# Allegro board reServer industrial J401 Carrier Board v11.brd (continued)
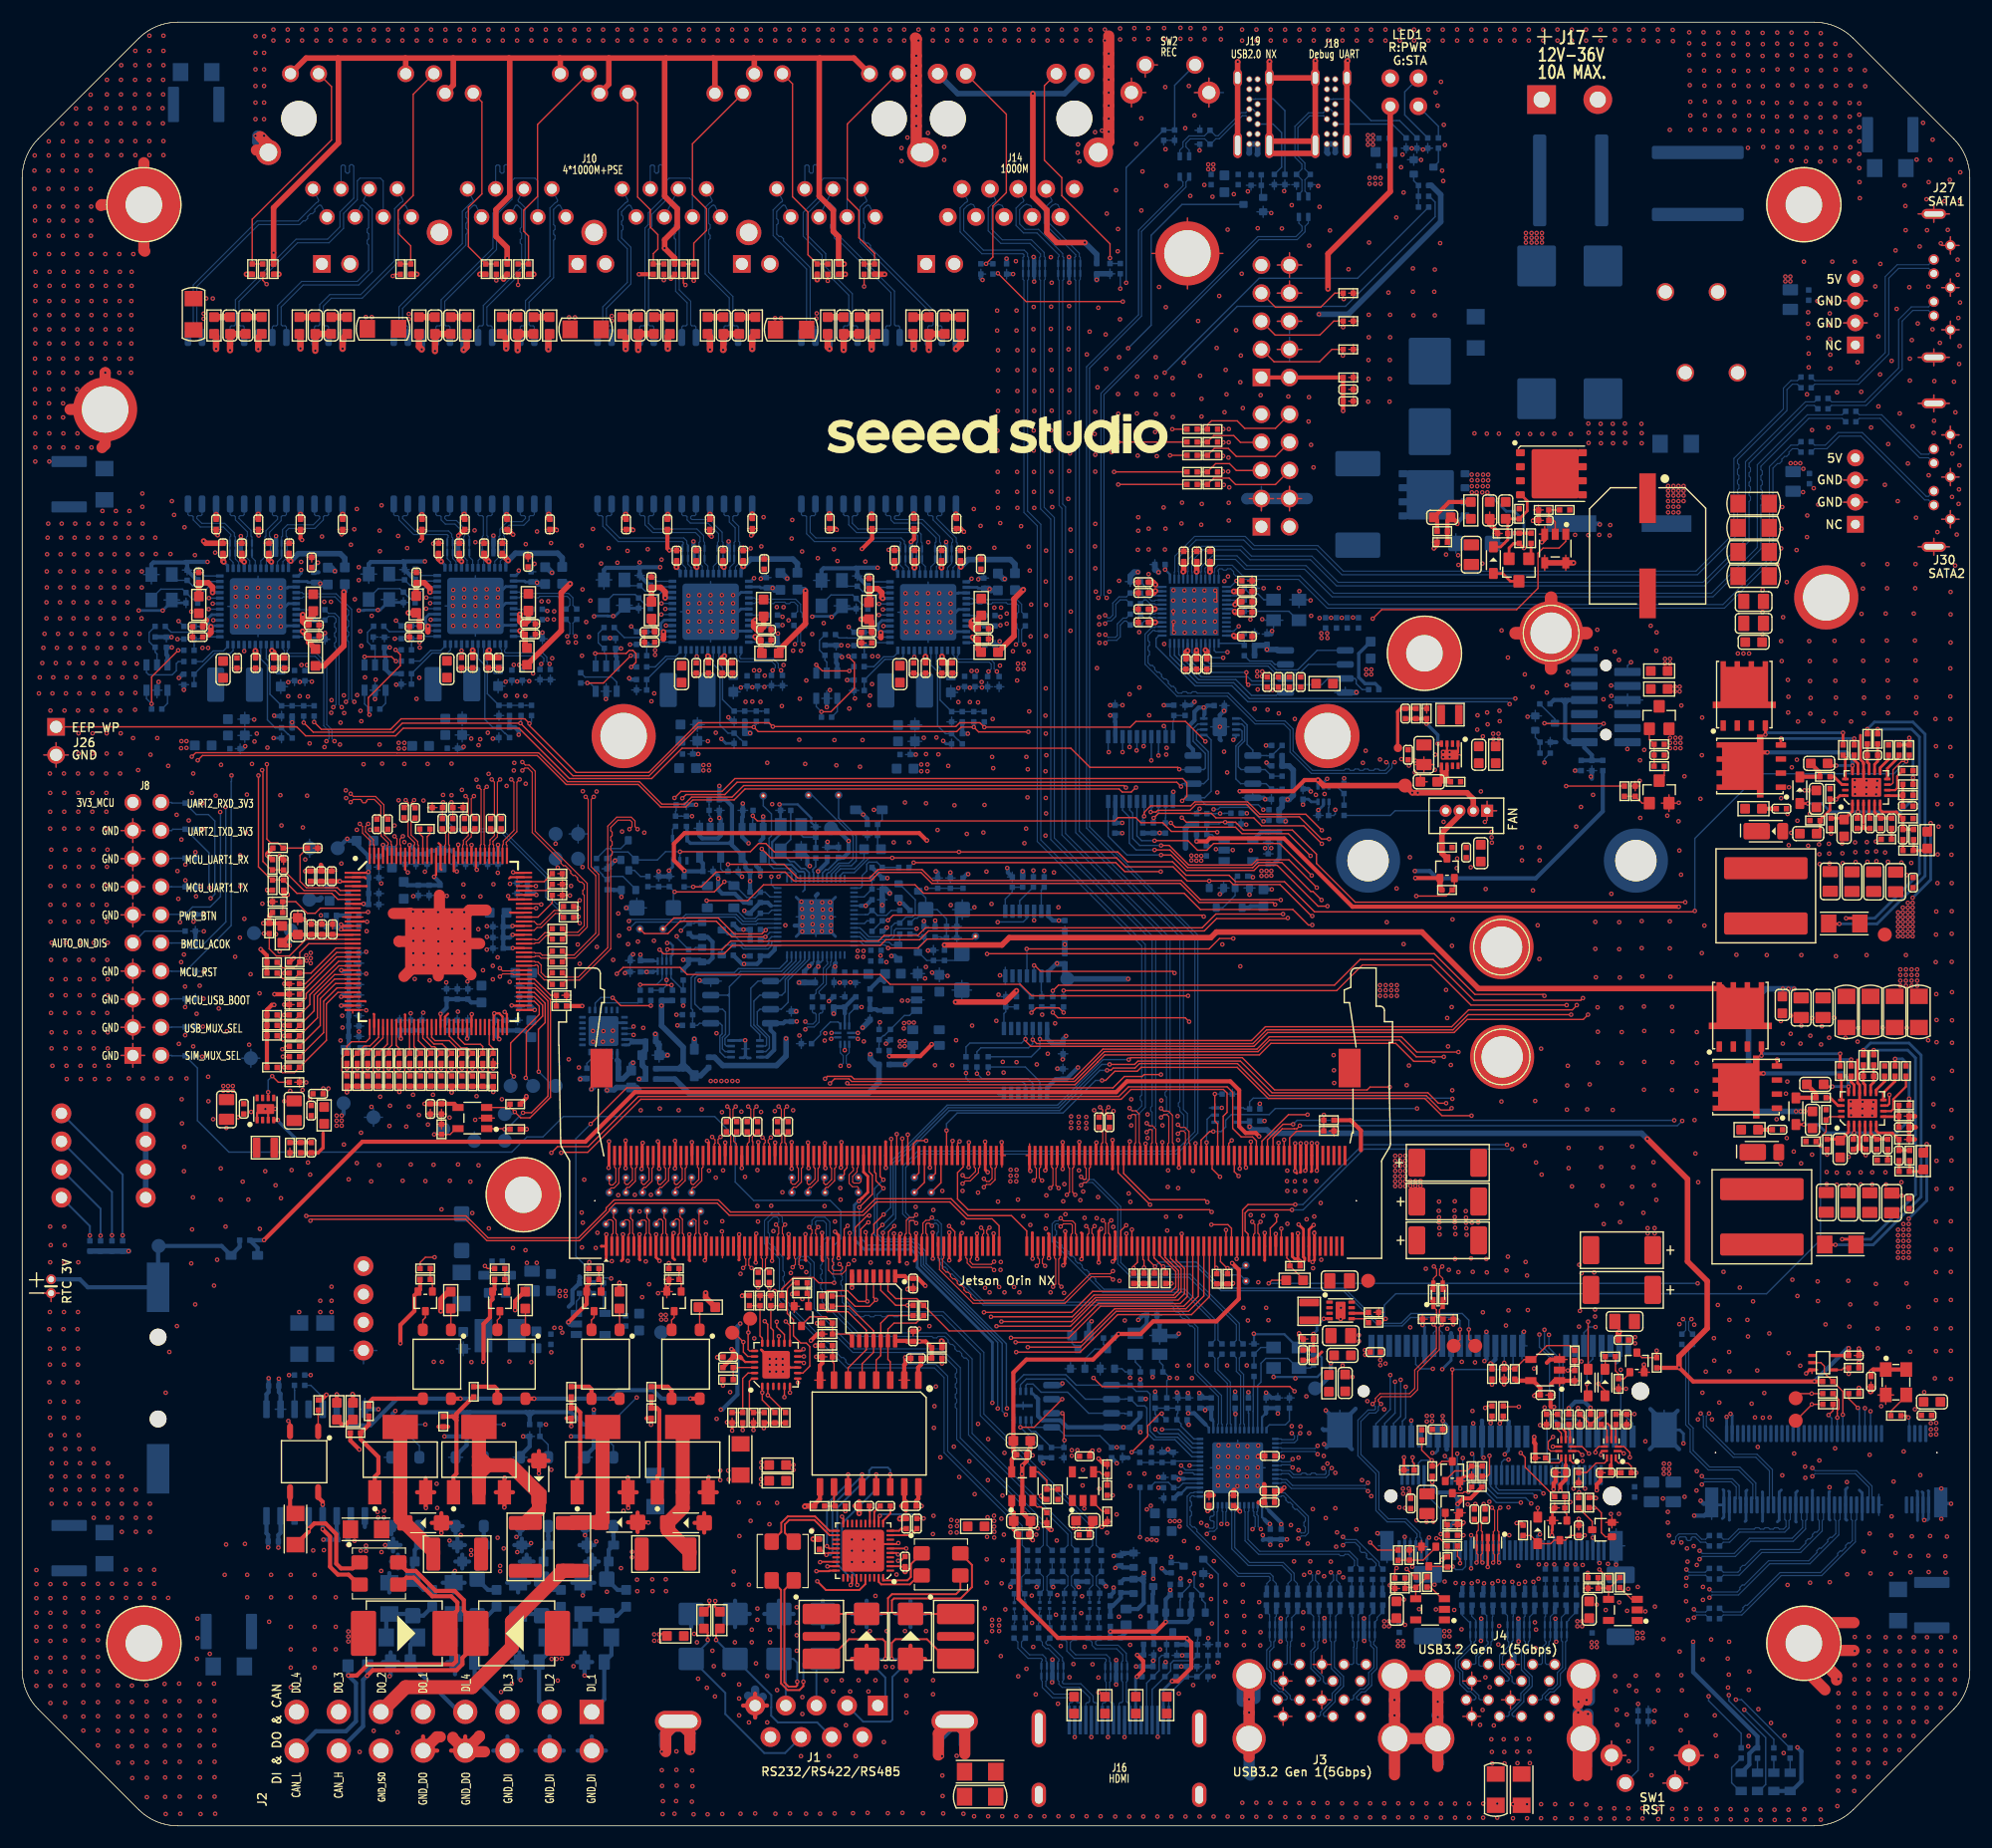
[diagram p0: board, top side]
## Placement (name value [footprint] x y rotation side) (continued)
C179  100nF  [C0402]  167.07 40.15 270 top
C180  100nF  [C0402]  26.35 112.83 90 bottom
C181  18pF  [C0402]  14.91 113.02 90 bottom
C182  100nF  [C0402]  104.21 21.82 0 bottom
C183  100nF  [C0402]  97.1 140.72 270 bottom
C184  10nF  [C0402]  88.96 140.7 270 bottom
C185  0.7pF  [C0402]  96.9 21.02 0 bottom
C186  0.7pF  [C0402]  92.43 21.01 0 bottom
C187  0.7pF  [C0402]  94.65 21 0 bottom
C188  0.7pF  [C0402]  90.13 20.98 0 bottom
C189  0.7pF  [C0402]  92.37 18.84 0 bottom
C190  0.7pF  [C0402]  94.58 18.84 0 bottom
C191  0.7pF  [C0402]  96.83 18.83 0 bottom
C192  0.7pF  [C0402]  90.16 18.82 0 bottom
C193  10pF  [C0402]  101.8 15.45 0 bottom
C194  4.7pF  [C0402]  105.74 15.41 180 bottom
C195  4.7pF  [C0402]  103.88 15.41 0 bottom
C196  100pF  [C0402]  106.16 13.94 90 bottom
C197  10pF  [C0402]  105.21 13.94 90 bottom
C198  100nF  [C0402]  123.06 150.01 0 bottom
C199  100nF  [C0402]  109.89 148.77 270 bottom
C200  10nF  [C0402]  103.15 152.78 270 bottom
C201  10uF  [C0603]  123.06 151.27 0 bottom
C202  4.7uF  [C0603]  108.64 148.39 270 bottom
C203  330uF  [AVX_C]  127.03 19.94 90 bottom
C204  100nF  [C0402]  120.05 22.73 270 bottom
C205  1uF  [C0402]  79.78 23.88 270 top
C206  100nF  [C0402]  122.28 42.82 0 top
C207  100nF  [C0402]  121.01 22.73 270 bottom
C208  100nF  [C0402]  125.47 29.14 270 top
C209  100nF  [C0402]  80.85 27.32 90 top
C210  100nF  [C0402]  79.89 27.32 270 top
C211  22uF  [C0805]  126.95 29.11 270 top
C212  100nF  [C0402]  77.99 28.9 180 top
C213  100nF  [C0402]  76.1 28.91 0 top
C214  100nF  [C0402]  127.89 35.83 0 top
C215  100nF  [C0402]  80.32 28.9 180 top
C216  100nF  [C0402]  66.51 49.56 90 top
C217  100nF  [C0402]  67.52 49.56 90 top
C218  10nF  [C0402]  133.91 40.84 270 top
C219  33pF  [C0402]  137.75 36.73 270 top
C220  100nF  [C0402]  109.46 29.4 90 top
C221  100nF  [C0402]  139.02 31.94 180 top
C222  10nF  [C0402]  140.66 26.7 90 top
C223  33pF  [C0402]  140.75 36.73 270 top
C224  100nF  [C0402]  143.09 31.91 180 top
C225  100nF  [C0402]  80.77 42.26 180 top
C226  100nF  [C0402]  144.71 43.91 0 top
C227  33pF  [C0402]  144.99 36.73 270 top
C228  100nF  [C0402]  80.52 44.24 90 top
C229  100nF  [C0402]  80.52 49.02 270 top
C230  100nF  [C0402]  67.79 109.42 180 bottom
C231  100nF  [C0402]  67.79 108.48 180 bottom
C232  100nF  [C0402]  70.68 108.94 90 bottom
C233  22uF  [C0805]  165.35 85.33 90 top
C234  22uF  [C0805]  163.38 85.35 90 top
C235  22uF  [C0805]  169.29 85.3 90 top
C236  22uF  [C0805]  167.3 85.33 90 top
C237  100nF  [C0402]  170.87 85.24 90 top
C238  330uF  [AVX_C]  128.82 59.92 0 top
C239  220pF  [C0402]  158.97 91.92 0 top
C240  330uF  [AVX_C]  128.82 56.42 0 top
C241  4.7uF  [C0805]  130.95 114.87 270 top
C242  330uF  [AVX_C]  128.82 52.91 0 top
C243  1nF  [C1206]  133.16 3.27 270 top
C244  2.2nF  [C4532]  18.68 17.56 0 bottom
C245  10uF  [C1206]  171.4 73.55 270 top
C246  10uF  [C1206]  169.21 73.55 270 top
C247  10uF  [C1206]  156.46 115.12 0 top
C248  100nF  [C0603]  128.33 118.24 0 top
C249  10nF  [C0402]  137.49 117.97 180 top
C250  1uF  [C0603]  134.06 118.87 270 top
C251  100nF  [C0603]  132.61 118.87 270 top
C252  100nF  [C0603]  156.46 106.97 0 top
C253  10uF  [C1206]  156.46 112.94 0 top
C254  4.7uF  [C0805]  156.46 110.65 0 top
C255  4.7uF  [C0805]  156.46 108.67 0 top
C256  10uF  [C1206]  156.46 119.49 0 top
C257  10uF  [C1206]  156.46 117.3 0 top
C258  220nF  [C0402]  150.94 43.97 90 bottom
C259  220nF  [C0402]  149.98 43.97 90 bottom
C260  100nF  [C0402]  63.8 42.38 180 top
C261  2.2nF  [C4532]  15.73 155.56 0 bottom
C264  220nF  [C0402]  152.92 19.66 180 bottom
C265  220nF  [C0402]  152.92 18.72 180 bottom
C266  4.7uF  [C0603]  18.16 104.5 270 top
C267  100nF  [C0402]  19.42 105.09 270 top
C268  100nF  [C0402]  22.73 105.09 270 top
C269  1uF  [C0402]  23.72 105.09 270 top
C270  100nF  [C0402]  21.09 105.09 270 top
C271  100nF  [C0402]  15.86 107.43 180 top
C272  100nF  [C0402]  26.36 107.55 0 top
C273  100nF  [C0402]  15.86 108.37 180 top
C274  100nF  [C0402]  26.36 108.51 0 top
C275  100nF  [C0402]  15.95 112.8 90 top
C276  220nF  [C0402]  152.92 23.26 180 bottom
C277  220nF  [C0402]  152.92 22.3 180 bottom
C278  100nF  [C0402]  24.12 115.45 90 top
C279  100nF  [C0402]  22.29 115.45 90 top
C280  100nF  [C0402]  19.86 115.45 90 top
C281  100nF  [C0402]  18.15 115.45 90 top
C282  100nF  [C0402]  26.16 114.17 90 top
C283  220nF  [C0402]  152.92 26.23 180 bottom
C284  220nF  [C0402]  152.92 25.29 180 bottom
C285  100nF  [C0402]  119.83 128.74 0 top
C286  33pF  [C0402]  119.83 129.81 0 top
C290  100nF  [C0402]  50.11 109.5 90 bottom
C291  100nF  [C0402]  49.15 109.5 90 bottom
C292  100nF  [C0402]  28.97 25.86 0 bottom
C293  100nF  [C0402]  137.65 38.93 0 top
C294  4.7uF  [C0603]  56.8 69.65 0 bottom
C295  100nF  [C0402]  56.8 70.89 0 bottom
C296  100nF  [C0402]  69.74 108.94 90 bottom
C297  100nF  [C0402]  65.98 117.69 270 top
C298  100nF  [C0402]  94.06 67.94 270 bottom
C299  100nF  [C0402]  94.22 78.36 270 bottom
C300  100nF  [C0402]  94.06 70.23 270 bottom
C301  100nF  [C0402]  94.22 81.35 270 bottom
C302  100nF  [C0402]  53.41 67.51 180 bottom
C305  100nF  [C0402]  67.66 47.47 90 top
C314  10uF  [C0603]  45.32 77.08 180 bottom
C315  1uF  [C0402]  45.4 75.9 180 bottom
C316  100nF  [C0402]  45.41 74.94 180 bottom
C317  10nF  [C0402]  45.4 74.01 180 bottom
C318  1uF  [C0402]  29.97 78.88 0 bottom
C319  100nF  [C0402]  29.97 77.96 0 bottom
C320  10nF  [C0402]  29.97 77.01 0 bottom
C321  1uF  [C0402]  26.05 85.82 90 top
C322  100nF  [C0402]  27.02 85.82 90 top
C323  10nF  [C0402]  27.98 85.82 90 top
C324  1uF  [C0402]  38.37 72.34 90 bottom
C325  100nF  [C0402]  39.32 72.34 90 bottom
C326  10nF  [C0402]  40.27 72.34 90 bottom
C327  22uF  [C0805]  18.47 64.74 270 top
C328  100nF  [C0402]  20.03 64.8 270 top
C329  22pF  [C0402]  26.13 61.29 90 top
C330  22uF  [C0805]  24.58 64.63 90 top
C331  100nF  [C0402]  26.12 64.64 90 top
C332  100nF  [C0402]  26.74 66.16 180 top
C333  10uF  [C0603]  29.97 70.12 0 bottom
C334  1uF  [C0402]  29.97 71.34 0 bottom
C335  100nF  [C0402]  29.97 76.03 0 bottom
C336  10nF  [C0402]  29.97 75.08 0 bottom
C337  1uF  [C0402]  29.97 72.28 0 bottom
C338  100nF  [C0402]  29.97 73.21 0 bottom
C339  10nF  [C0402]  29.97 74.14 0 bottom
C340  10uF  [C0603]  33.42 87.36 270 bottom
C341  1uF  [C0402]  34.6 87.36 270 bottom
C342  100nF  [C0402]  35.59 87.36 270 bottom
C343  10nF  [C0402]  36.59 87.36 270 bottom
C344  100nF  [C0402]  45.19 85.2 180 bottom
C345  10nF  [C0402]  45.19 84.26 180 bottom
C346  10uF  [C0603]  34.48 84.55 270 bottom
C347  1uF  [C0402]  35.8 84.55 270 bottom
C348  100nF  [C0402]  36.78 84.55 270 bottom
C349  10nF  [C0402]  37.77 84.55 270 bottom
C350  10uF  [C0603]  30.98 89.02 0 bottom
C351  1uF  [C0402]  31.77 87.62 0 bottom
C352  100nF  [C0402]  31.77 86.64 0 bottom
C353  10nF  [C0402]  31.77 85.68 0 bottom
C354  100nF  [C0402]  31.77 84.26 0 bottom
C355  10nF  [C0402]  31.77 83.27 0 bottom
C356  10uF  [C0603]  46.01 72.03 90 bottom
C357  1uF  [C0402]  44.78 72.34 90 bottom
C358  100nF  [C0402]  43.74 72.34 90 bottom
C359  10nF  [C0402]  42.75 72.34 90 bottom
C360  1uF  [C0402]  36.11 72.34 90 bottom
C361  100nF  [C0402]  35.11 72.34 90 bottom
C362  10nF  [C0402]  34.12 72.34 90 bottom
C363  10uF  [C0603]  37.91 87.36 270 bottom
C364  1uF  [C0402]  39.13 87.36 270 bottom
C365  100nF  [C0402]  40.08 87.36 270 bottom
C366  10nF  [C0402]  41.02 87.36 270 bottom
C367  100nF  [C0402]  43 87.36 270 bottom
C368  10nF  [C0402]  42.06 87.36 270 bottom
C369  10uF  [C0603]  41.51 75.17 90 bottom
C370  1uF  [C0402]  40.28 75.17 90 bottom
C371  100nF  [C0402]  39.32 75.17 90 bottom
C372  10nF  [C0402]  38.36 75.17 90 bottom
C373  10uF  [C0603]  24.91 81.3 90 top
C374  1uF  [C0402]  26.13 81.02 90 top
C375  100nF  [C0402]  27.09 81.02 90 top
C376  10nF  [C0402]  28.06 81.02 90 top
C377  10uF  [C0603]  27.78 84.35 90 bottom
C378  1uF  [C0402]  29.46 83.83 90 bottom
C379  100nF  [C0402]  27.94 82.28 180 bottom
C380  10nF  [C0402]  27.94 81.26 180 bottom
C381  100nF  [C0402]  29.97 81.31 0 bottom
C382  10nF  [C0402]  29.97 82.28 0 bottom
C383  10uF  [C0603]  43.01 82.52 180 bottom
C384  1uF  [C0402]  43.01 81.25 180 bottom
C385  100nF  [C0402]  43.01 80.27 180 bottom
C386  10nF  [C0402]  43.01 79.31 180 bottom
C387  100nF  [C0402]  32.06 90.52 90 top
C388  100nF  [C0402]  33.05 90.52 90 top
C389  100nF  [C0402]  34.52 91.56 90 top
C390  100nF  [C0402]  35.51 91.54 90 top
C391  100nF  [C0402]  40.92 90.57 90 top
C392  100nF  [C0402]  39.98 90.57 90 top
C393  100nF  [C0402]  43.28 90.57 90 top
C394  100nF  [C0402]  42.34 90.57 90 top
C395  100nF  [C0402]  38.92 90.57 270 top
C396  100nF  [C0402]  37.98 90.57 270 top
C397  10pF  [C0402]  23.63 85.01 270 top
C398  10pF  [C0402]  23.62 86.84 90 top
C399  10pF  [C0402]  26.25 88.37 0 top
C400  100nF  [C0402]  37.9 64.79 270 top
C401  1uF  [C0402]  36.89 64.79 270 top
C402  100nF  [C0402]  65.51 63.18 270 top
C403  100nF  [C0402]  66.45 63.18 270 top
C404  100nF  [C0402]  64.57 63.18 90 top
C405  100nF  [C0402]  63.63 63.18 90 top
C406  100nF  [C0402]  69.22 63.18 90 top
C407  100nF  [C0402]  68.25 63.18 90 top
C408  100nF  [C0402]  28.96 117.62 270 top
C409  100nF  [C0402]  25.15 117.62 270 top
C410  100nF  [C0402]  21.34 117.62 270 top
C411  22nF  [C0603]  18.79 135.59 270 top
C412  22nF  [C0603]  20.21 135.59 270 top
C413  22nF  [C0603]  26.49 135.59 270 top
C414  22nF  [C0603]  27.92 135.59 270 top
C415  100nF  [C0402]  17.53 117.62 270 top
C416  1nF  [C1206]  15.49 136.6 90 top
C417  100nF  [C0402]  47.69 117.62 270 top
C418  100nF  [C0402]  43.81 117.62 270 top
C419  100nF  [C0402]  40 117.62 270 top
C420  22nF  [C0603]  37.3 135.59 270 top
C421  22nF  [C0603]  38.73 135.59 270 top
C422  22nF  [C0603]  44.78 135.59 270 top
C423  22nF  [C0603]  46.21 135.59 270 top
C424  1uF  [C0402]  43.09 100.8 270 bottom
C425  100nF  [C0402]  36.13 117.62 270 top
C426  1nF  [C1206]  32.61 135.28 180 top
C428  100nF  [C0402]  42.12 105.12 270 top
C429  18pF  [C0402]  34.55 113.06 90 bottom
C430  18pF  [C0402]  34.46 111.03 270 bottom
C431  4.7uF  [C0603]  38.39 104.53 270 top
C432  100nF  [C0402]  35.46 107.44 180 top
C433  100nF  [C0402]  39.7 105.12 270 top
C434  10uF  [C0603]  39 100.05 0 bottom
C435  10uF  [C0603]  39 98.58 0 bottom
C436  100nF  [C0402]  38.88 97.38 0 bottom
C437  100nF  [C0402]  45.71 114.23 90 top
C438  100nF  [C0402]  35.46 108.38 180 top
C439  100nF  [C0402]  40.72 105.12 270 top
C440  100nF  [C0402]  45.99 112.87 90 bottom
C441  100nF  [C0402]  45.91 108.62 0 top
C442  100nF  [C0402]  41.74 115.45 90 top
C443  100nF  [C0402]  35.63 112.8 90 top
C444  100nF  [C0402]  39.51 115.45 90 top
C445  10uF  [C0603]  43.01 103.76 270 bottom
C446  1uF  [C0402]  44.25 103.99 270 bottom
C447  100nF  [C0402]  45.19 103.98 270 bottom
C448  1uF  [C0402]  43.06 105.12 270 top
C449  100nF  [C0402]  32.74 106.96 90 bottom
C450  100nF  [C0402]  45.91 107.68 0 top
C451  100nF  [C0402]  37.63 115.45 90 top
C452  100nF  [C0402]  43.39 115.45 90 top
C453  100nF  [C0402]  122.02 22.73 270 bottom
C454  100nF  [C0402]  122.96 22.73 270 bottom
C455  100nF  [C0402]  62.14 117.62 270 top
C456  100nF  [C0402]  58.31 117.62 270 top
C457  22nF  [C0603]  63.37 135.59 270 top
C458  22nF  [C0603]  64.8 135.59 270 top
C459  22nF  [C0603]  55.67 135.59 270 top
C460  22nF  [C0603]  57.09 135.59 270 top
C461  1uF  [C0402]  64.34 100.27 270 bottom
C462  100nF  [C0402]  54.58 117.62 270 top
C463  1nF  [C1206]  50.92 135.23 180 top
C465  100nF  [C0402]  60.91 104.64 270 top
C466  18pF  [C0402]  55.81 112.54 90 bottom
C467  18pF  [C0402]  55.71 110.5 270 bottom
C468  4.7uF  [C0603]  59.59 104.08 270 top
C469  100nF  [C0402]  56.7 106.96 180 top
C470  100nF  [C0402]  63.26 104.64 270 top
C471  10uF  [C0603]  60.26 98.05 0 bottom
C472  10uF  [C0603]  60.26 99.53 0 bottom
C473  100nF  [C0402]  60.13 96.86 0 bottom
C474  100nF  [C0402]  67.05 114.02 90 top
C475  100nF  [C0402]  56.7 107.89 180 top
C476  100nF  [C0402]  62.02 104.64 270 top
C477  100nF  [C0402]  67.24 112.34 90 bottom
C478  100nF  [C0402]  67.21 108.1 0 top
C479  100nF  [C0402]  60.92 114.78 90 top
C480  100nF  [C0402]  56.87 112.39 90 top
C481  100nF  [C0402]  63.34 114.78 90 top
C482  10uF  [C0603]  64.26 103.24 270 bottom
C483  1uF  [C0402]  65.51 103.46 270 bottom
C484  100nF  [C0402]  66.45 103.46 270 bottom
C485  1uF  [C0402]  64.19 104.64 270 top
C486  100nF  [C0402]  53.62 106.86 90 bottom
C487  100nF  [C0402]  67.21 107.17 0 top
C488  100nF  [C0402]  59.14 114.78 90 top
C489  100nF  [C0402]  65.15 114.78 90 top
C490  100nF  [C0402]  87.45 109.38 180 bottom
C491  100nF  [C0402]  87.45 108.44 180 bottom
C492  100nF  [C0402]  90.65 108.9 90 bottom
C493  100nF  [C0402]  89.71 108.9 90 bottom
C494  100nF  [C0402]  84.43 117.69 270 top
C495  100nF  [C0402]  80.59 117.69 270 top
C496  100nF  [C0402]  76.81 117.69 270 top
C497  22nF  [C0603]  81.94 135.59 270 top
C498  22nF  [C0603]  83.37 135.59 270 top
C499  22nF  [C0603]  74.24 135.59 270 top
C500  22nF  [C0603]  75.66 135.59 270 top
C501  1uF  [C0402]  84 100.23 270 bottom
C502  100nF  [C0402]  72.97 117.69 270 top
C503  1nF  [C1206]  69.49 135.21 180 top
C505  100nF  [C0402]  83.12 104.64 270 top
C506  18pF  [C0402]  75.47 112.49 90 bottom
C507  18pF  [C0402]  75.37 110.45 270 bottom
C508  4.7uF  [C0603]  79.31 104.08 270 top
C509  100nF  [C0402]  80.57 104.64 270 top
C510  100nF  [C0402]  76.31 106.9 180 top
C511  10uF  [C0603]  79.91 99.48 0 bottom
C512  10uF  [C0603]  79.91 98.01 0 bottom
C513  100nF  [C0402]  79.79 96.81 0 bottom
C514  100nF  [C0402]  76.3 107.85 180 top
C515  100nF  [C0402]  86.64 114.02 90 top
C516  100nF  [C0402]  81.64 104.64 270 top
C517  100nF  [C0402]  86.9 112.3 90 bottom
C518  100nF  [C0402]  86.86 108.19 0 top
C519  100nF  [C0402]  80.65 114.8 90 top
C520  100nF  [C0402]  83.09 114.8 90 top
C521  100nF  [C0402]  76.54 112.27 90 top
C522  10uF  [C0603]  83.92 103.19 270 bottom
C523  1uF  [C0402]  85.17 103.42 270 bottom
C524  100nF  [C0402]  86.11 103.41 270 bottom
C525  1uF  [C0402]  84.06 104.64 270 top
C526  100nF  [C0402]  73.56 106.22 90 bottom
C527  100nF  [C0402]  86.86 107.25 0 top
C528  100nF  [C0402]  84.8 114.8 90 top
C529  100nF  [C0402]  78.83 114.8 90 top
C530  10pF  [C0402]  112.51 103.36 270 top
C531  100pF  [C0402]  113.51 103.36 270 top
C532  1nF  [C0402]  114.51 103.36 270 top
C533  10nF  [C0402]  115.53 103.36 270 top
C534  100nF  [C0402]  105.17 104.99 270 top
C535  100nF  [C0402]  102.82 113.99 180 bottom
C536  100nF  [C0402]  110.67 111.55 0 top
C537  100nF  [C0402]  107.05 104.99 270 top
C538  100nF  [C0402]  107.34 114.72 90 top
C539  100nF  [C0402]  101.32 108.77 180 top
C540  100nF  [C0402]  101.32 109.95 180 top
C541  100nF  [C0402]  110.67 109.67 0 top
C542  100nF  [C0402]  104.97 114.72 90 top
C543  100nF  [C0402]  106.15 114.72 90 top
C544  100nF  [C0402]  101.32 111.42 180 top
C545  100nF  [C0402]  101.32 112.39 180 top
C546  10pF  [C0402]  117.78 108.71 90 bottom
C547  100pF  [C0402]  118.76 108.71 90 bottom
C548  1nF  [C0402]  119.74 108.71 90 bottom
C549  10nF  [C0402]  120.75 108.71 90 bottom
C550  100nF  [C0402]  110.67 107.48 0 top
C551  100nF  [C0402]  110.67 110.62 0 top
C552  100nF  [C0402]  106.12 104.99 270 top
C553  100nF  [C0402]  112.49 107.23 90 bottom
C554  1uF  [C0402]  110.9 107.75 0 bottom
C555  220nF  [C0402]  100.59 108.52 0 bottom
C556  220nF  [C0402]  100.59 109.5 0 bottom
C557  220nF  [C0402]  100.59 110.44 0 bottom
C558  220nF  [C0402]  100.59 111.41 0 bottom
C559  27pF  [C0402]  110.9 111.84 0 bottom
C560  27pF  [C0402]  110.9 109.76 180 bottom
C561  10nF  [C0402]  162.72 128.05 0 bottom
C562  10nF  [C0402]  162.72 128.99 0 bottom
C563  10nF  [C0402]  161.2 129.96 0 bottom
C564  10nF  [C0402]  161.2 130.92 0 bottom
C568  22uF  [C0805]  159.78 137.93 270 bottom
C569  100nF  [C0402]  161.43 138.33 270 bottom
C570  10nF  [C0402]  161.2 124.14 0 bottom
C571  10nF  [C0402]  161.2 125.08 0 bottom
C572  10nF  [C0402]  165.24 126.89 0 bottom
C573  10nF  [C0402]  165.24 127.83 0 bottom
C576  22uF  [C0805]  160.02 121.49 270 bottom
C577  100nF  [C0402]  161.5 121.75 270 bottom
C579  100nF  [C0402]  147.93 96.76 180 top
C580  22pF  [C0402]  124.99 100.52 270 top
C581  22nF  [C0603]  127.11 94.35 180 top
C582  10uF  [C0603]  131.62 96.79 90 top
C583  22uF  [C0805]  126.67 96.79 270 top
C584  1uF  [C0402]  125.24 96.79 270 top
D1  TPD1E10B06DPYR  [D0402]  146.48 9.44 180 bottom
D2  SM712-02HTG  [SOT23]  30.34 15.49 180 bottom
D3  TPD1E10B06DPYR  [D0402]  58.97 140.68 90 top
D4  SMBJ16CA  [DO_214AA_SMB]  60.46 17.12 270 bottom
D5  SMBJ16CA  [DO_214AA_SMB]  64.42 17.12 270 bottom
D6  SMBJ16CA  [DO_214AA_SMB]  68.39 17.12 270 bottom
D7  SMBJ16CA  [DO_214AA_SMB]  72.35 17.12 270 bottom
D8  SMBJ16CA  [DO_214AA_SMB]  80.27 17.12 90 top
D9  SMBJ16CA  [DO_214AA_SMB]  76.31 17.12 90 top
D10  TPD1E10B06DPYR  [D0402]  60.69 140.68 90 top
D11  3.3V  [SOD_123]  35.3 20.65 270 bottom
D12  3.3V  [SOD_123]  41.12 20.65 270 bottom
D13  3.3V  [SOD_123]  46.94 20.65 270 bottom
D14  3.3V  [SOD_123]  52.83 20.65 270 bottom
D15  PMEG3010CEJ  [SOD_323]  34.72 25.37 0 bottom
D16  PMEG3010CEJ  [SOD_323]  40.53 25.37 0 bottom
D17  PMEG3010CEJ  [SOD_323]  46.35 25.37 0 bottom
D18  PMEG3010CEJ  [SOD_323]  52.24 25.37 0 bottom
D19  PMEG3010CEJ  [SOD_323]  42.92 49.76 0 bottom
D20  TPD1E10B06DPYR  [D0402]  15.2 92.43 180 bottom
D21  MMSZ5232BT1G  [SOD_123]  39.72 53.65 270 bottom
D22  TPD1E10B06DPYR  [D0402]  15.2 90.07 180 bottom
D23  TPD1E10B06DPYR  [D0402]  15.2 87.45 180 bottom
D24  TPD1E10B06DPYR  [D0402]  15.2 84.86 180 bottom
D25  TPD1E10B06DPYR  [D0402]  15.2 82.37 180 bottom
D26  PMEG3010CEJ  [SOD_323]  76.51 91.82 180 bottom
D27  TPD1E10B06DPYR  [D0402]  15.2 79.78 180 bottom
D28  TPD1E10B06DPYR  [D0402]  15.2 77.23 180 bottom
D29  PMEG3010CEJ  [SOD_323]  63.12 84.96 180 bottom
D30  TPD1E10B06DPYR  [D0402]  15.2 74.74 180 bottom
D31  PMEG3010CEJ  [SOD_323]  63.11 82.96 180 bottom
D32  3.3V  [SOD_123]  57.19 82.96 0 bottom
D33  3.3V  [SOD_123]  83.3 82.8 180 bottom
D34  DFLS240L-7  [POWERDI123]  157.21 60.88 180 top
D35  TPD1E10B06DPYR  [D0402]  15.2 72.19 180 bottom
D36  1N4148WS  [SOD_323]  160.28 64.58 90 top
D37  TPD1E10B06DPYR  [D0402]  15.2 69.59 180 bottom
D38  3.3V  [SOD_123]  84.92 77.18 90 bottom
D39  PMEG3010CEJ  [SOD_323]  81.68 71.95 0 bottom
D40  1N4148WS  [SOD_323]  160.63 93.59 90 top
D41  PMEG3010CEJ  [SOD_323]  81.68 70.52 0 bottom
D42  TPD1E10B06DPYR  [D0402]  118.07 62.8 180 top
D43  TPD1E10B06DPYR  [D0402]  108.9 66.13 180 bottom
D44  MMSZ5259A  [SOD_123]  131.21 115.89 0 bottom
D45  TPD1E10B06DPYR  [D0402]  115.02 50.6 180 top
D46  SMCJ40A  [DO_214AB_SMC]  120.69 119.42 90 bottom
D47  PMEG3010CEJ  [SOD_323]  100.96 19.6 0 bottom
D48  PMEG3010CEJ  [SOD_323]  100.96 18.17 0 bottom
D49  TPD1E10B06DPYR  [D0402]  107.16 13.94 90 bottom
D50  TPD1E10B06DPYR  [D0402]  104.28 13.94 270 bottom
D51  ESDPSA0402V05  [D0402]  103.26 13.94 270 bottom
D52  TPD1E10B06DPYR  [D0402]  101.2 13.94 270 bottom
D53  ESDPSA0402V05  [D0402]  102.18 13.93 270 bottom
D54  TPD1E10B06DPYR  [D0402]  104.14 152.78 90 bottom
D55  ESDPSA0402V05  [D0402]  115.15 148.77 90 bottom
D56  ESDPSA0402V05  [D0402]  116.4 148.77 90 bottom
D57  ESDPSA0402V05  [D0402]  106.88 153.23 0 bottom
D58  ESDPSA0402V05  [D0402]  106.88 151.97 0 bottom
D59  TPD1E10B06DPYR  [D0402]  123.06 152.51 180 bottom
D60  TPD1E10B06DPYR  [D0402]  107.44 148.77 90 bottom
D61  MMSZ5260BT1G  [SOD_123]  59.98 27.38 180 top
D62  MMSZ5260BT1G  [SOD_123]  46.7 31.35 270 top
D63  MMSZ5260BT1G  [SOD_123]  36.24 27.38 180 top
D64  MMSZ5260BT1G  [SOD_123]  53.97 27.43 180 top
D65  ESDPSA0402V05  [D0402]  127.01 45.8 0 top
D66  ESDPSA0402V05  [D0402]  128.86 45.79 180 top
D67  PMEG3010CEJ  [SOD_323]  136.95 26.7 90 top
D68  SMCJ13CA  [DO_214AB_SMC]  34.53 17.4 0 top
D69  PMEG3010CEJ  [SOD_323]  141.5 40.06 90 top
D70  PMEG3010CEJ  [SOD_323]  143.03 40.06 90 top
D71  TPD1E10B06DPYR  [D0402]  57.03 140.68 90 top
D72  TPD1E10B06DPYR  [D0402]  73.77 140.68 90 top
D73  TPD1E10B06DPYR  [D0402]  77.02 140.68 90 top
D74  TPD1E10B06DPYR  [D0402]  71.84 140.68 90 top
D75  ESDPSA0402V05  [D0402]  107.56 126.22 180 top
D76  ESDPSA0402V05  [D0402]  107.56 123.85 180 top
D77  ESDPSA0402V05  [D0402]  107.56 125.06 180 top
D78  ESDPSA0402V05  [D0402]  107.56 122.35 180 top
D79  ESDPSA0402V05  [D0402]  107.56 121.23 180 top
D87  PMEG3010CEJ  [SOD_323]  20.08 51.55 0 bottom
D88  DFLS240L-7  [POWERDI123]  157.56 89.89 180 top
D89  PMEG3010CEJ  [SOD_323]  132.94 114.38 90 top
D90  ESDPSA0402V05  [D0402]  119.83 130.89 180 top
D91  ESDPSA0402V05  [D0402]  119.83 133.43 180 top
D92  ESDPSA0402V05  [D0402]  119.83 138.51 180 top
D93  ESDPSA0402V05  [D0402]  119.83 135.98 180 top
D94  PMEG3010CEJ  [SOD_323]  60.74 68.99 270 bottom
D95  SMCJ13CA  [DO_214AB_SMC]  44.69 17.4 180 top
D96  TPD1E10B06DPYR  [D0402]  22.72 140.68 90 top
D97  TPD1E10B06DPYR  [D0402]  35.11 140.68 90 top
D98  TPD1E10B06DPYR  [D0402]  86.63 140.7 90 bottom
D99  TPD1E10B06DPYR  [D0402]  98.3 140.72 90 bottom
D100  TPD1E10B06DPYR  [D0402]  20.79 140.68 90 top
D102  TPD1E10B06DPYR  [D0402]  43.83 140.68 90 top
D103  TPD1E10B06DPYR  [D0402]  45.76 140.68 90 top
D104  TPD1E10B06DPYR  [D0402]  41.9 140.68 90 top
F1  10A  [FUSE2P_HOLDER_9_73X5_03X3_81MM]  127.2 129.18 270 bottom
F2  0.5A  [F1812]  58.14 24.56 180 top
F3  0.5A  [F1812]  49.72 25.21 270 top
F4  0.5A  [F1812]  45.47 25.21 270 top
F5  0.5A  [F1812]  39.31 24.56 0 top
FB1  120R  [L0603]  103.12 26.64 0 bottom
FB2  120R  [L0603]  118.08 39.99 270 top
FB3  120R  [L0603]  76.84 88.26 180 bottom
FB4  120R  [L0603]  77.22 76.98 180 bottom
FB5  120R  [L0603]  114.99 49.31 180 top
FB6  120R  [L0603]  16.36 97.63 180 bottom
FB7  120R  [L0603]  27.62 112.94 90 bottom
FB8  120R  [L0603]  29.16 112.97 270 bottom
FB9  120R  [L0603]  26.51 105.59 270 top
FB10  120R  [L0603]  15.97 110.34 270 top
FB11  120R  [L0603]  26.3 110.54 90 top
FB12  120R  [L0603]  60.13 95.59 0 bottom
FB13  120R  [L0603]  56.86 109.85 270 top
FB14  120R  [L0603]  23.51 80.57 90 top
FB15  120R  [L0603]  27.29 64.2 90 top
FB16  120R  [L0603]  36.01 97.59 180 bottom
FB17  120R  [L0603]  35.61 110.38 270 top
FB18  120R  [L0603]  47.26 112.98 90 bottom
FB19  120R  [L0603]  45.74 110.58 90 top
FB20  120R  [L0603]  45.62 105.68 270 top
FB21  120R  [L0603]  48.8 113.01 270 bottom
FB22  120R  [L0603]  68.51 112.46 90 bottom
FB23  120R  [L0603]  67 110.06 90 top
FB24  120R  [L0603]  67.6 105.96 0 top
FB25  120R  [L0603]  70.05 112.48 270 bottom
FB26  120R  [L0603]  79.79 95.54 0 bottom
FB27  120R  [L0603]  76.52 109.81 270 top
FB28  120R  [L0603]  88.17 112.41 90 bottom
FB29  120R  [L0603]  86.66 110.14 90 top
FB30  120R  [L0603]  87.42 106.06 0 top
FB31  120R  [L0603]  89.71 112.44 270 bottom
FB32  120R  [L0603]  117.69 103.23 180 top
FB33  120R  [L0603]  121.85 106.25 90 bottom
FB34  120R  [L0603]  147.93 102.73 0 top
FB35  120R  [L0603]  133.16 96.79 270 top
FB36  120R  [L0603]  147.93 104.36 0 top
G1  2RP090M-8-S  [GDT2P_5D6_8_3X5_5X8_3MM]  151.41 148.42 270 bottom
G2  2RP090M-8-S  [GDT2P_5D6_8_3X5_5X8_3MM]  139.93 148.7 180 bottom
J1  DT10621-H7809-4H  [DSUB9P_1D385_31X18_59X12_48MM]  71.77 8.03 0 bottom
J2  YL032-096-016  [TERMINAL_2X8P_3D81]  38.14 10.3 180 bottom
J3  UAA111C-84161-4H  [USB3_1_2D0_17_5X13_6X15_69MM]  117.44 7.89 180 bottom
J4  UAA111C-84161-4H  [USB3_1_2D0_17_5X13_6X15_69MM]  134.49 7.89 180 bottom
J5  ST-PC-002  [PCIE52_0D8_56X30_2X4MM]  133.72 39.28 90 bottom
J6  2E0BC21-S85BB-7H  [CON_MINIPEX_067_SMT_RA_M2_KEYE_B]  133.68 29.8 0 bottom
J7  4P 1.25mm  [JST4P_1D25_6_75X3_2X4_7MM]  130.5 91.73 180 top
J8  Header 2x10Pin 2.54MM  [HEADER2X10P_2D54_DIP_90]  10.01 83.59 0 bottom
J9  SODDR4  [CON_SODIMM_260_SMT_0D5_AS0A821_H2SB_7H]  86.16 56.58 180 top
J10  LPJE104-0BENL  [RJ45_1X4_48P_LPJE104-0BENL]  51.68 154.28 0 bottom
J11  Header 2x7Pin 1.27MM  [HEADER2X7P_1D27_SMD_NP_EPT14]  143.11 101.74 90 bottom
J12  Header 1x2 1.25mm  [HEADER2P_1D25_DIP]  2.62 48.76 270 bottom
J13  Header 1x2 2.54mm  [HEADER2P_2D54_DIP]  28.36 141.15 270 bottom
J14  LPJG0933H11NL  [RJ45_18P_LPJG0801HBNL]  89.37 154.28 0 bottom
J15  Header 2x5 2.54  [HEADER2X5P_2D54_1_DIP]  113.25 135.97 0 bottom
J16  QJA5311-LF34S-7F  [HDMI19P_0D5_15X12_15X6_18MM]  99.11 9.56 180 bottom
J17  YL032-100-002  [TERMINAL_2P_5D08]  139.84 156 0 bottom
J18  UBF31-112-14C1-024  [USB2_0_TYPE_C_14X3D16X8D94MM]  118.28 154.91 90 bottom
J19  UBF31-112-14C1-024  [USB2_0_TYPE_C_14X3D16X8D94MM]  111.27 154.91 90 bottom
J20  Header 1x2 2.54mm  [HEADER2P_2D54_DIP]  51.44 141.15 270 bottom
J21  2E0BC26-F85BM-7H  [M2_075_GEN4_MKEY_21_9X5_9MM]  163.02 33.73 0 bottom
J22  CR1220  [BAT-CR1220]  12.29 40.47 0 bottom
J23  Header 1x2 2.54mm  [HEADER2P_2D54_DIP]  66.3 141.15 270 bottom
J24  Header 1x2 2.54mm  [HEADER2P_2D54_DIP]  82.97 141.15 270 bottom
J25  Header 2x5 2.54  [HEADER2X5P_2D54_1_DIP]  113.25 122.48 0 bottom
J26  Header 1x2 2.54mm  [HEADER2P_2D54_DIP]  3.07 98.05 180 bottom
J27  JSATA-03A125  [SATA7P_1D27_16_1X6_4X8_4MM]  172.74 139.19 270 bottom
J28  PH 4P 2.0mm  [HEADER4P-2_0-GROVE-DIP]  165.66 136.82 0 bottom
J29  PH 4P 2.0mm  [HEADER4P-2_0-GROVE-DIP]  165.66 120.62 0 bottom
J30  JSATA-03A125  [SATA7P_1D27_16_1X6_4X8_4MM]  172.74 122.07 270 bottom
L1  90R  [L2012]  116.73 20.42 270 bottom
L2  90R  [L2012]  114.8 20.42 270 bottom
L3  90R  [L2012]  120.57 20.42 270 bottom
L4  90R  [L2012]  130.56 20.4 270 bottom
L5  90R  [L2012]  132.47 20.4 270 bottom
L6  90R  [L2012]  134.32 20.42 270 bottom
L7  90R  [L2012]  136.23 20.42 270 bottom
L8  90R  [L2012]  138.08 20.42 270 bottom
L9  90R  [L2012]  139.99 20.42 270 bottom
L10  6.8uH  [L4X4MM]  43.19 44.3 180 bottom
L11  1uH  [L2016]  116.3 46.49 270 top
L12  4.7uH  [L2P_5D0_9X8_5X4_8MM]  157.21 55.04 0 top
L13  3.3uH  [L4242]  19.24 103.13 180 bottom
L14  700O@100MHz  [L4P_15X13X6_5MM]  139.85 134.97 270 bottom
L15  4nH  [L0201]  91.96 19.93 270 bottom
L16  4nH  [L0201]  97.31 19.92 270 bottom
L17  4nH  [L0201]  96.47 19.92 270 bottom
L18  4nH  [L0201]  95.07 19.92 270 bottom
L19  4nH  [L0201]  94.13 19.92 270 bottom
L20  4nH  [L0201]  92.84 19.92 270 bottom
L21  4nH  [L0201]  89.66 19.89 270 bottom
L22  4nH  [L0201]  90.6 19.87 270 bottom
L23  1nH  [L0402]  101.8 16.41 180 bottom
L24  90R  [L2012]  105.03 149.95 270 bottom
L25  90R  [L2012]  115.79 146.32 270 bottom
L26  1400R  [L4P_4_75X4_5X_2MM]  83.03 23.63 0 top
L27  1400R  [L4P_4_75X4_5X_2MM]  32.24 22.81 0 top
L28  1400R  [L4P_4_75X4_5X_2MM]  68.72 23.93 270 top
L29  90R  [L2012]  127.95 47.99 90 top
L30  4.7uH  [L2P_5D0_9X8_5X4_8MM]  157.56 84.04 0 top
L34  1uH  [L2016]  129.03 100.42 180 top
L35  1uH  [L2016]  21.98 61.29 0 top
L36  3.3uH  [L4242]  38.88 103.17 180 bottom
L37  90R  [L2012]  118.64 20.42 270 bottom
L38  90R  [L2012]  112.9 20.42 270 bottom
L39  90R  [L2012]  122.5 20.42 270 bottom
L40  3.3uH  [L4242]  60.14 102.65 180 bottom
L41  3.3uH  [L4242]  79.8 102.6 180 bottom
LED1  A694B/SYGSUR/S530-A3  [LED4_2D54_9X4_3X9_65MM]  124.9 155.39 180 bottom
LED2  Green  [LED0603]  155.34 3.98 270 bottom
LED3  Green  [LED0603]  156.81 3.98 270 bottom
LED4  Green  [LED0603]  158.28 3.98 270 bottom
LED5  Green  [LED0603]  159.76 3.98 270 bottom
MH1  Hole 3.3MM  [PTH_3_3MM_6D8]  11 16.5 90 top
MH2  Hole 3.3MM  [PTH_3_3MM_6D8]  11 146.5 90 top
MH3  SMTSO2015CTJ  [PTH_3_73MM_5D8_PASTE#2]  121.62 87.23 270 bottom
MH4  SMTSO2015CTJ  [PTH_3_73MM_5D8_PASTE#2]  145.82 87.23 270 bottom
MH5  SMTSO2525CTJ  [PTH_4_2MM_5D8]  54.36 98.48 0 top
MH6  SMTSO2525CTJ  [PTH_4_2MM_5D8]  117.96 98.48 0 top
MH7  Hole 3.3MM  [PTH_3_3MM_6D8]  161 16.5 90 top
MH8  Hole 3.3MM  [PTH_3_3MM_6D8]  161 146.5 90 top
MH9  SMTSO2015CTJ  [PTH_3_73MM_5D8_PASTE]  133.68 79.4 90 top
MH10  SMTSO2015CTJ  [PTH_3_73MM_5D8_PASTE]  133.73 69.49 90 top
MH11  SMTSO2565CTJ  [PTH_4_2MM_5D8]  163.02 111.01 270 bottom
MH12  SMTSO3003CTJ  [PTH_4_2MM_5D8_TOP]  7.5 128 90 top
MH13  SMTSO3003CTJ  [PTH_4_2MM_5D8_TOP]  105.3 142.1 90 top
MH14  Hole 3.3MM  [PTH_3_3MM_6D8]  45.28 57.04 90 top
MH15  Hole 3.3MM  [PTH_3_3MM_6D8]  126.72 105.96 90 top
MH16  SMTSO2015CTJ  [PTH_3_73MM_5D8_PASTE]  138.16 107.78 0 top
NOREF  -  []  153.92 34.32 180 bottom
NOREF#2  -  []  51.25 9.38 180 bottom
OSC2  32.768KHz  [X4-SMD-3_2X2_5X1_0MM]  169.33 40.09 270 top
Q1  2SK3018  [SOT-323-3]  126.64 149.9 90 bottom
Q2  SFH690BT3  [SOP4-2_54MM]  34.63 30.19 180 bottom
Q3  SFH690BT3  [SOP4-2_54MM]  40.44 30.19 180 bottom
Q4  SFH690BT3  [SOP4-2_54MM]  46.26 30.19 180 bottom
Q5  SFH690BT3  [SOP4-2_54MM]  52.15 30.19 180 bottom
Q6  2SK3018  [SOT-323-3]  128.76 86.54 0 top
Q7  2SK3018  [SOT-323-3]  54.77 88.18 180 bottom
Q8  BSS84W-7-F  [SOT-323-3]  54.82 85.46 180 bottom
Q9  CJ3134KW  [SOT-323-3]  80.09 84.47 90 bottom
Q10  CJ3134KW  [SOT-323-3]  110.24 83.87 0 bottom
Q11  2SK3018  [SOT-323-3]  107.91 83.87 0 bottom
Q12  CSD18533Q5A  [PQFN8_1D27_5X6X1MM]  155.77 66.77 180 top
Q13  2SK3018  [SOT-323-3]  62.34 80.96 90 bottom
Q14  CJ3134KW  [SOT-323-3]  80.06 78.94 90 bottom
Q15  2SK3018  [SOT-323-3]  62.34 78.7 90 bottom
Q16  CSD18533Q5A  [PQFN8_1D27_5X6X1MM]  155.26 73.22 90 top
Q17  CJAC70P06  [SON8P_1D27_5X6X1MM]  127.58 120.29 180 bottom
Q18  MMST3904-7-F  [SOT-323-3]  105.84 23.46 270 bottom
Q19  2SK3018  [SOT-323-3]  101.32 23.99 90 bottom
Q20  2SK3018  [SOT-323-3]  101.32 21.63 90 bottom
Q21  2SK3018  [SOT-323-3]  106.25 18.38 0 bottom
Q22  2SK3018  [SOT-323-3]  103.97 18.38 0 bottom
Q23  MMST3904-7-F  [SOT-323-3]  111.25 146.52 270 bottom
Q24  2SK3018  [SOT-323-3]  127.11 24.34 180 top
Q25  2SK3018  [SOT-323-3]  129.24 29.18 0 top
Q26  2SK3018  [SOT-323-3]  129.24 32.05 0 top
Q27  CPC1017N  [SOP4-2_54MM-S]  25.48 32.91 180 top
Q28  CJT04N15  [SOT223_4]  59.69 33.09 90 top
Q29  CJT04N15  [SOT223_4]  52.45 33.09 90 top
Q30  CJT04N15  [SOT223_4]  41.28 33.09 90 top
Q31  CJT04N15  [SOT223_4]  34.17 33.09 90 top
Q32  2SK3018  [SOT-323-3]  137.62 99.64 90 bottom
Q33  2SK3018  [SOT-323-3]  138.94 26.7 180 top
Q34  SFH690BT3  [SOP4-2_54MM]  59.96 41.72 180 top
Q35  SFH690BT3  [SOP4-2_54MM]  52.72 41.72 180 top
Q36  SFH690BT3  [SOP4-2_54MM]  44.21 41.72 180 top
Q37  SFH690BT3  [SOP4-2_54MM]  37.48 41.72 180 top
Q38  2SK3018  [SOT-323-3]  142.77 26.76 90 top
Q39  2SK3018  [SOT-323-3]  58.92 47.4 180 top
Q40  2SK3018  [SOT-323-3]  51.68 47.4 180 top
Q41  2SK3018  [SOT-323-3]  43.17 47.4 180 top
Q42  2SK3018  [SOT-323-3]  36.44 47.4 180 top
Q43  CSD18533Q5A  [PQFN8_1D27_5X6X1MM]  156.12 95.77 180 top
Q44  MMBT3906LT  [SOT23]  135.25 113.49 180 top
Q45  CSD18533Q5A  [PQFN8_1D27_5X6X1MM]  155.62 102.23 90 top
Q46  CJAC70P06  [SON8P_1D27_5X6X1MM]  138.19 122.19 0 top
Q48  2SK3018  [SOT-323-3]  145.91 41.88 0 top
Q52  2SK3018  [SOT-323-3]  70.42 46.06 180 top
Q53  CJ3407  [SOT23]  147.93 100.16 0 top
Q54  2SK3018  [SOT-323-3]  98.08 42.2 180 bottom
Q55  2N7002,215  [SOT23]  147.93 93.44 0 top
Q56  CJ3134KW  [SOT-323-3]  95.4 42.2 180 bottom
R1  10K  [R0402]  126.64 148.24 180 bottom
R2  1M  [R1206]  18.68 14.41 0 bottom
R3  1K  [R0402]  127.98 152.07 270 bottom
R4  0R  [R0402]  126.64 146.29 180 bottom
R5  0R  [R0402]  126.64 147.26 180 bottom
R6  Varistor  [R0805]  34.19 14.81 180 bottom
R7  Varistor  [R0805]  40 14.81 180 bottom
R8  Varistor  [R0805]  45.82 14.81 180 bottom
R9  Varistor  [R0805]  51.71 14.81 180 bottom
R10  0R  [R0402]  125.94 22.02 270 top
R11  2.2K  [R1206]  34.31 17.03 180 bottom
R12  2.2K  [R1206]  40.13 17.03 180 bottom
R13  2.2K  [R1206]  45.95 17.03 180 bottom
R14  2.2K  [R1206]  51.84 17.03 180 bottom
R15  0R  [R0402]  124.5 22.4 0 top
R16  0R  [R0402]  117.19 20.42 270 bottom
R17  0R  [R0402]  126.96 22.04 90 top
R18  1M  [R0402]  124.5 21.45 180 top
R19  0R  [R0402]  116.26 20.42 270 bottom
R20  2.2K  [R1206]  33.18 20.56 90 bottom
R21  0R  [R0603]  37.06 20.56 90 bottom
R22  2.2K  [R1206]  39 20.56 90 bottom
R23  0R  [R0603]  42.87 20.56 90 bottom
R24  2.2K  [R1206]  44.81 20.56 90 bottom
R25  0R  [R0603]  48.69 20.56 90 bottom
R26  2.2K  [R1206]  50.71 20.56 90 bottom
R27  0R  [R0603]  54.58 20.56 90 bottom
R28  0R  [R0402]  132.91 20.41 270 bottom
R29  0R  [R0402]  134.79 20.41 270 bottom
R30  0R  [R0402]  136.7 20.41 270 bottom
R31  0R  [R0402]  131.98 20.41 270 bottom
R32  0R  [R0402]  130.09 20.41 270 bottom
R33  0R  [R0402]  131.03 20.41 270 bottom
R34  0R  [R0402]  139.51 20.41 270 bottom
